# Altium PCB BB.PcbDoc (part 1 of 9) (continued)
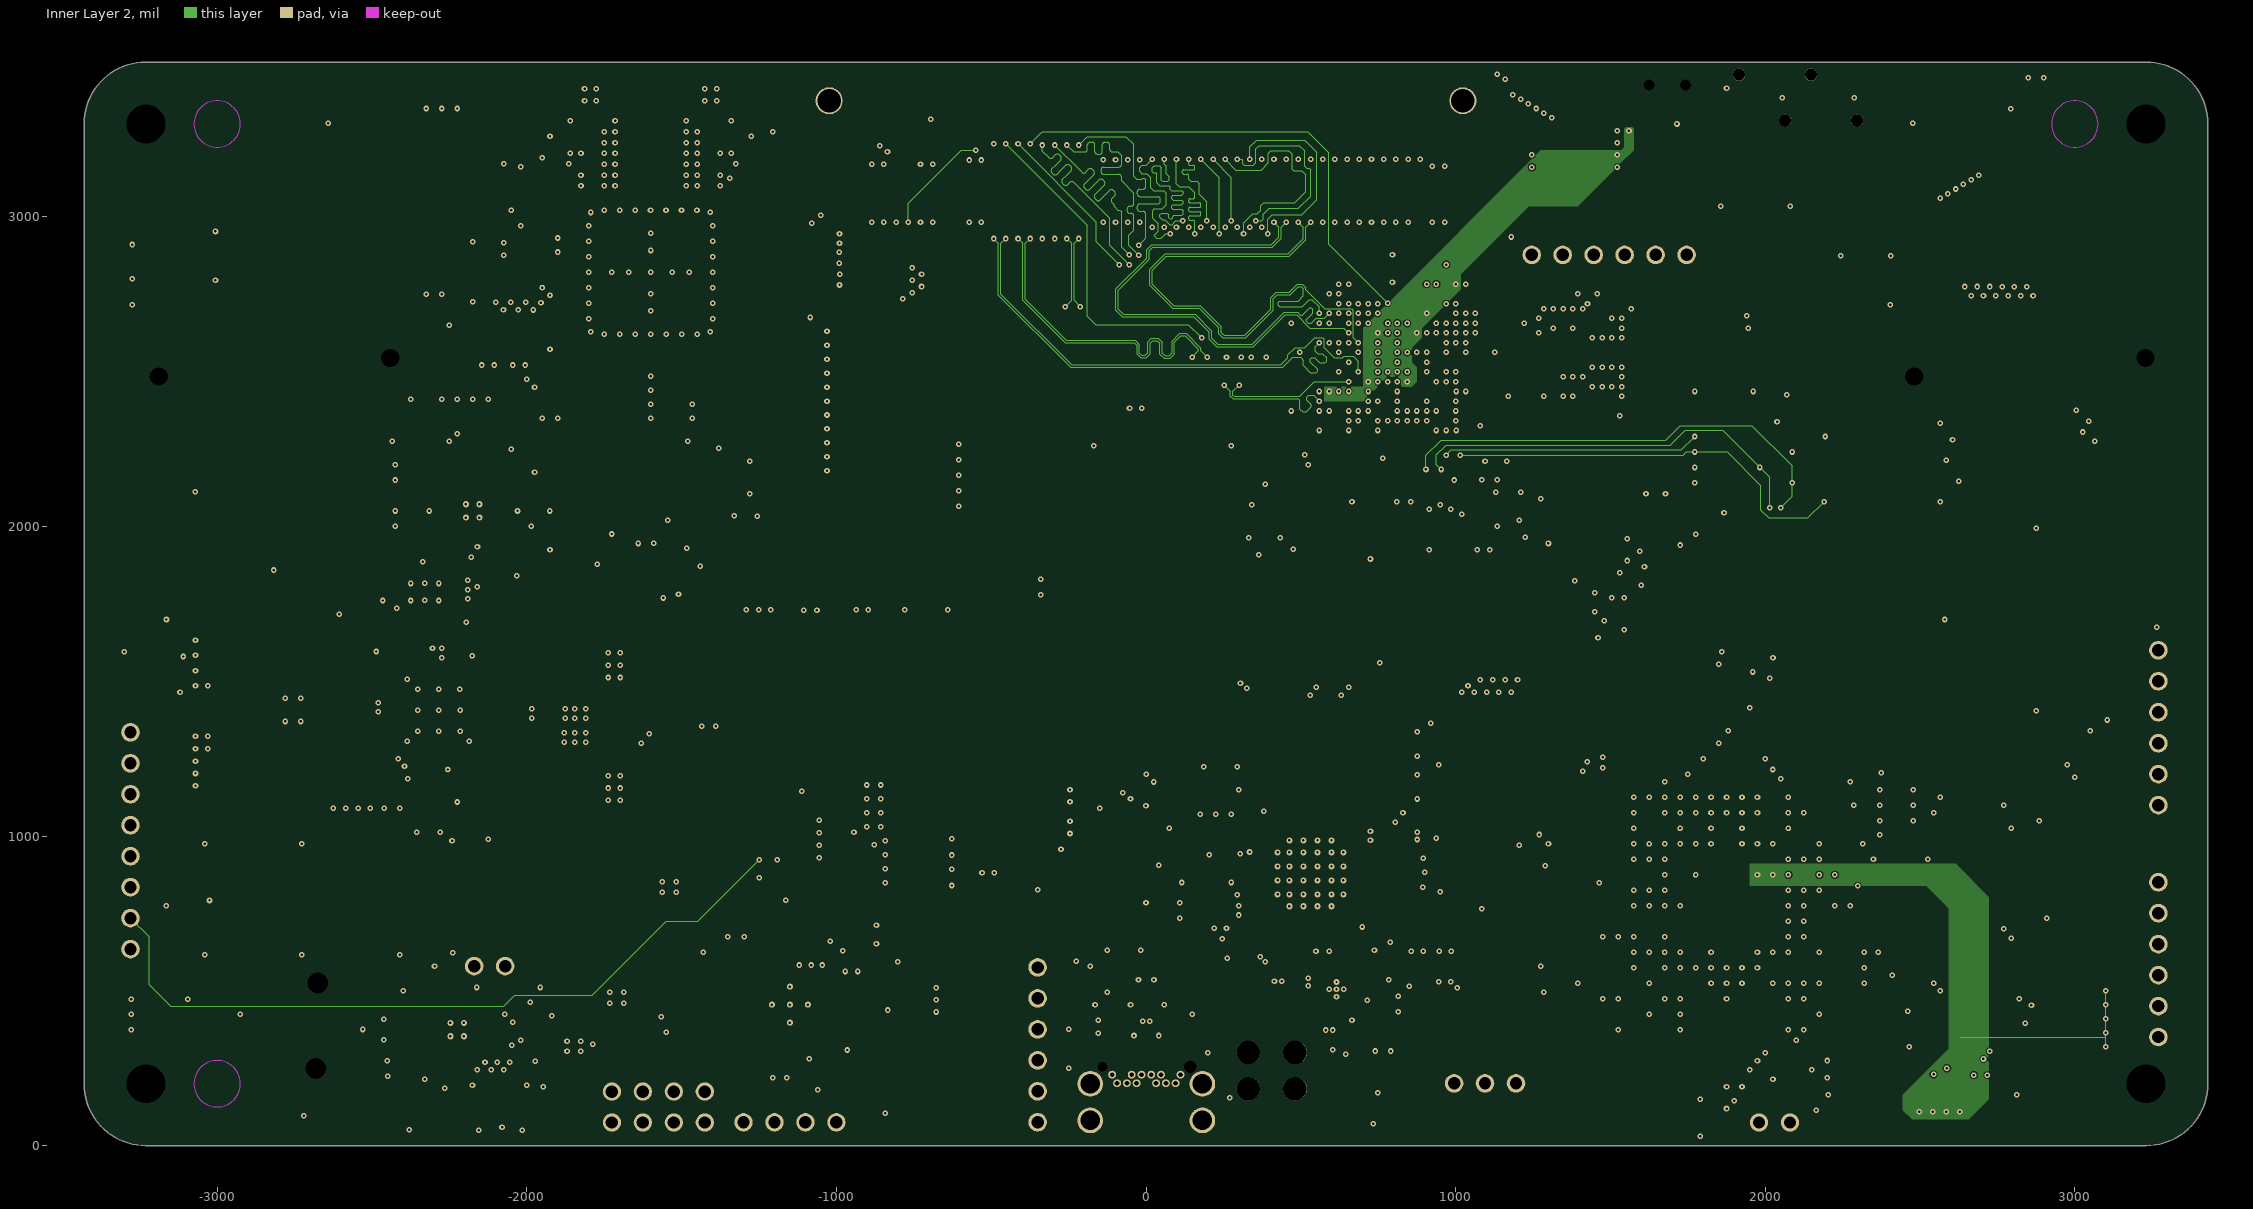
[diagram p4: Inner Layer 2]
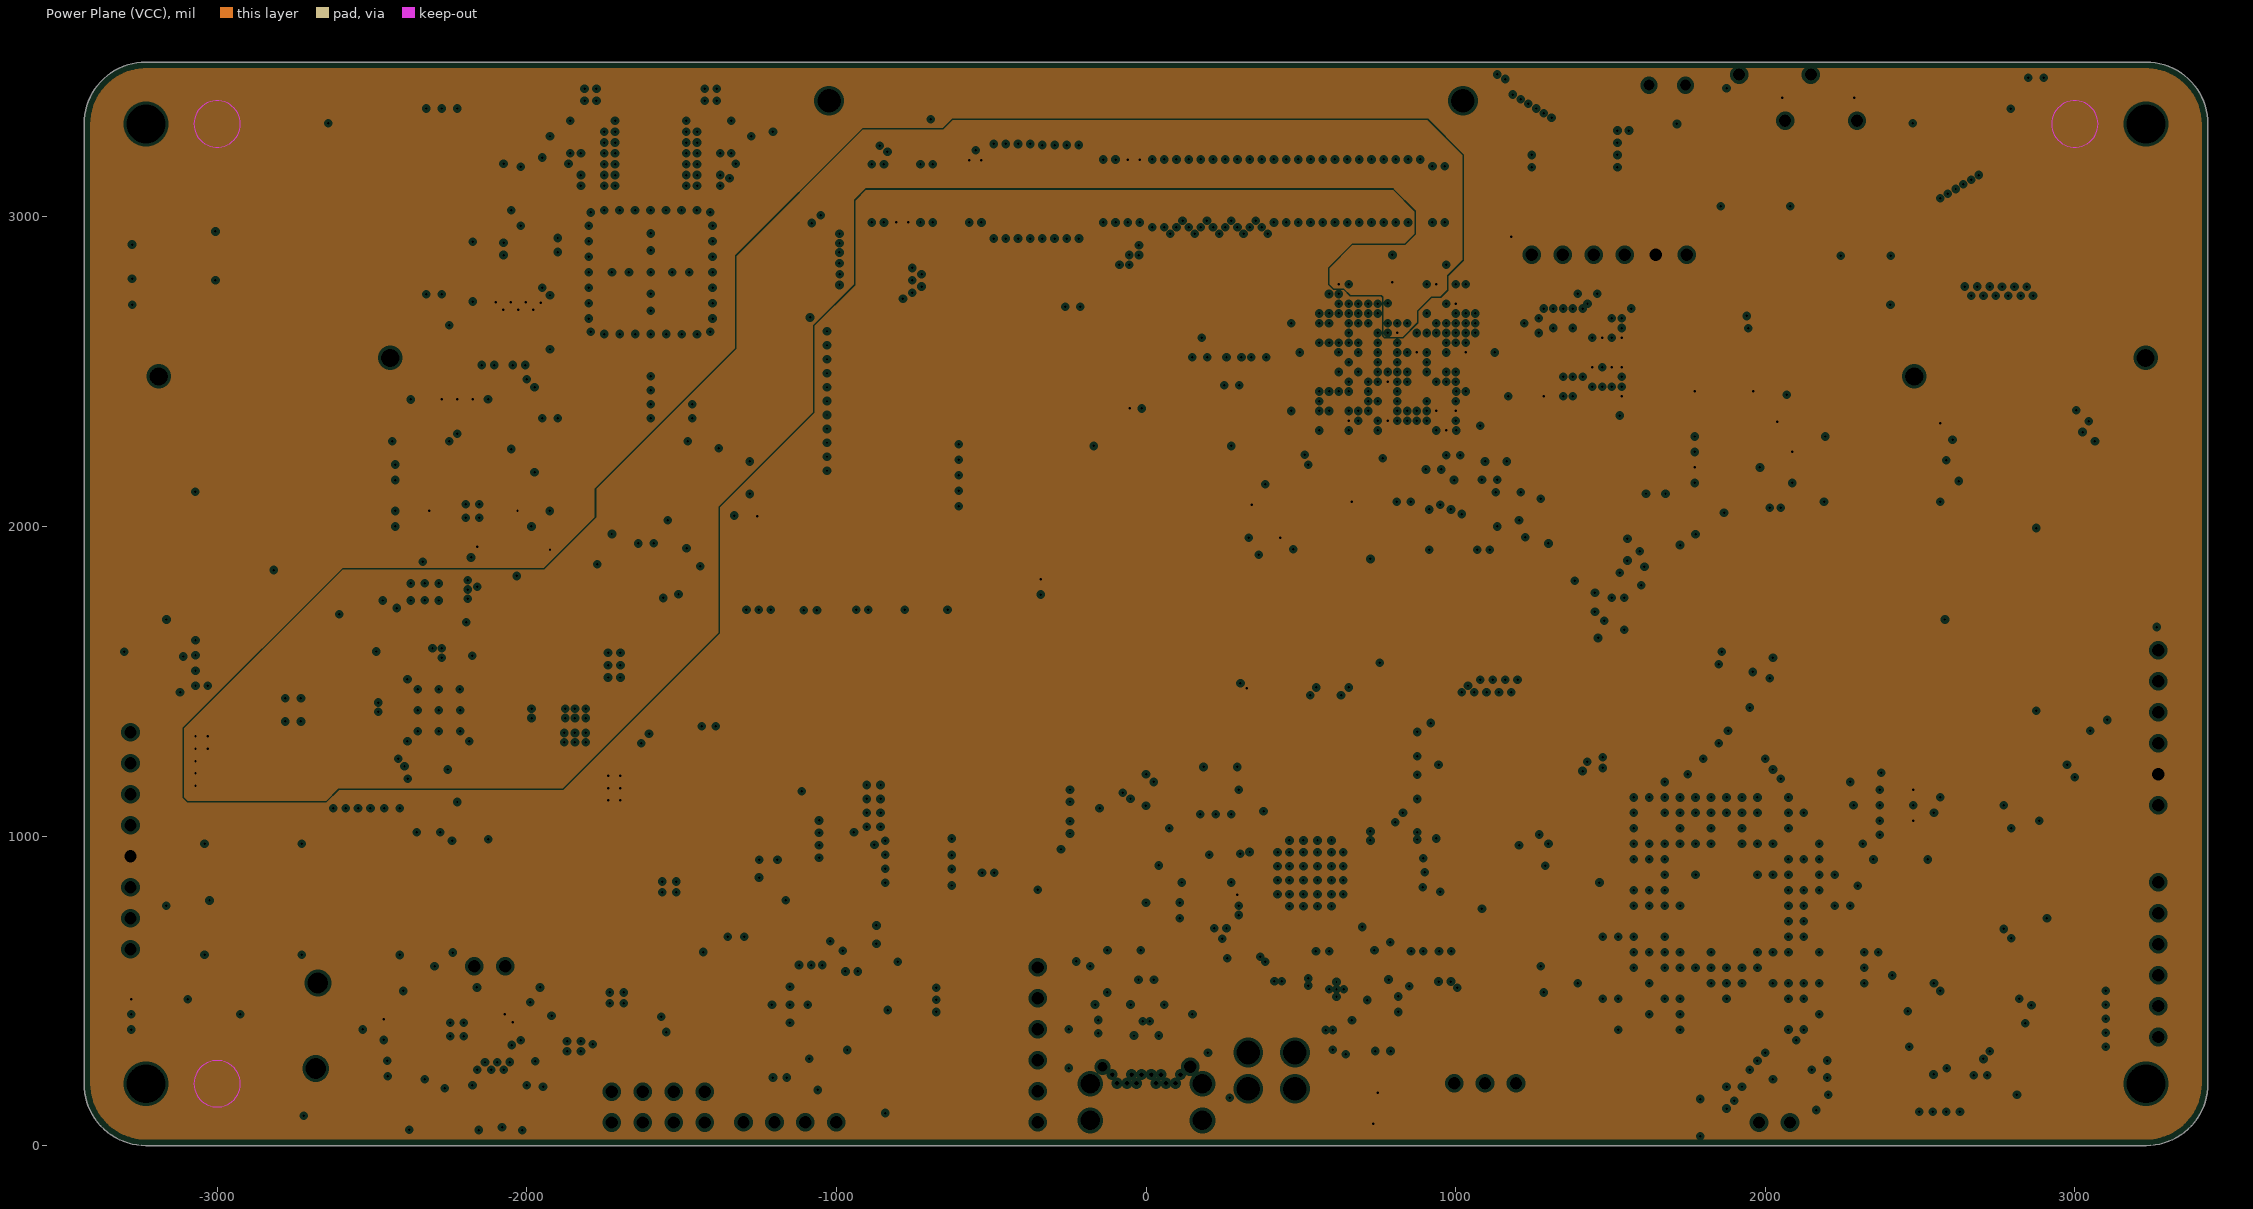
[diagram p5: Power Plane (VCC), clearances drawn from the general rule]
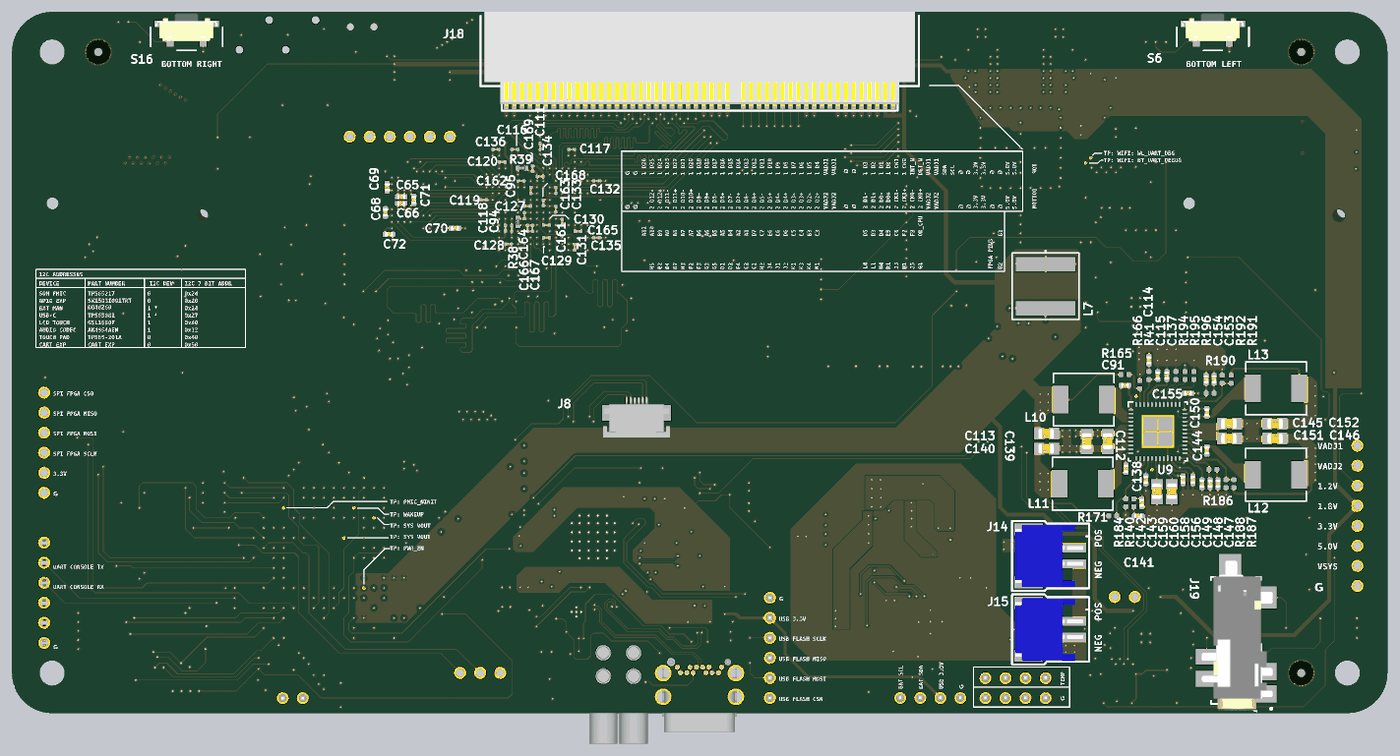
[diagram p14: 3D render of the assembled board from below, using the file's embedded part models]

## Layer stack, top to bottom
Top Solder: solder mask 0.4, Solder Resist, Dk 3.5
Component Side: signal copper 1.4
Dielectric 1: core 12.6, FR-4, Dk 4.8
Ground Plane (GND): plane copper 1.417, net GND
Dielectric 3: prepreg 5, Dk 4.2
Inner Layer 1: signal copper 1.417
Dielectric 6: core 10, Dk 4.2
Inner Layer 2: signal copper 1.417
Dielectric 5: prepreg 5, Dk 4.2
Power Plane (VCC): plane copper 1.417, net (Multiple Nets)
Dielectric 4: core 10, Dk 4.2
Solder Side: signal copper 1.4
Bottom Solder: solder mask 0.4, Solder Resist, Dk 3.5

## Board outline
-3430,200 -3430,3300 cw(c-3230,3300) -3230,3500 3230,3500 cw(c3230,3300) 3430,3300 3430,200 cw(c3230,200) 3230,0 -3230,0 cw(c-3230,200)

## Design rules (kind name [scope] priority, off if disabled: settings)
Clearance V5P0_L06_P073_CLEARANCE [InNamedPolygon('V5P0_L06_P073')] p1: gap=10 ignorepadtopadclearanceinfootprint=FALSE except(0: Arc-Hole Track-Hole SMDPad-Hole THPad-Hole Via-Hole Fill-Hole Poly-Hole Region-Hole Text-Hole)
Clearance [All] p2: gap=4 ignorepadtopadclearanceinfootprint=TRUE except(0: Arc-Hole Track-Hole SMDPad-Hole THPad-Hole Via-Hole Fill-Hole Poly-Hole Region-Hole Text-Hole)
DiffPairsRouting [All] p1: maxlimit=10 minlimit=4 mostfreqgap=4 toplayer_minwidth=4 toplayer_maxwidth=15 toplayer_prefwidth=4 midlayer1_minwidth=4 midlayer1_maxwidth=15 midlayer1_prefwidth=4 midlayer2_minwidth=4 midlayer2_maxwidth=15 midlayer2_prefwidth=4 bottomlayer_minwidth=4 bottomlayer_maxwidth=15 bottomlayer_prefwidth=4 maxuncoupledlength=500
HoleSize [All] p1: absolutevalues=TRUE maxlimit=125 minlimit=1 maxpercent=80.000 minpercent=20.000
MinimumSolderMaskSliver [All] p1: minsoldermaskwidth=3
NetAntennae [Footprint='S_GB_BTN'] p1: netantennaetolerance=0
PlaneClearance [All] p1: clearance=10
PlaneConnect USBC_CONN [(InComponent('J12') AND InNet('GND'))] p1: planeconnectstyle=Direct reliefexpansion=20 reliefentries=4 reliefconductorwidth=10 reliefairgap=10
PlaneConnect USBC_CONN_1 [InNet('GND')] p2: planeconnectstyle=Direct reliefexpansion=20 reliefentries=4 reliefconductorwidth=10 reliefairgap=10
PlaneConnect [All] p3: planeconnectstyle=Direct reliefexpansion=20 reliefentries=4 reliefconductorwidth=10 reliefairgap=10
PolygonConnect V5P0_L06_P073_REG [All vs IsNamedPolygon('V5P0_L06_P073')] p1: connectstyle=Relief reliefconductorwidth=10 reliefentries=4 polygonreliefangle="90 Angle" airgapwidth=7
PolygonConnect SYS_VDD_1P8V_L01_P061_SOM [All vs IsNamedPolygon('SYS_VDD_1P8V_L01_P061')] p2: connectstyle=Relief reliefconductorwidth=10 reliefentries=4 polygonreliefangle="90 Angle" airgapwidth=5
PolygonConnect PolygonConnect_1 [All vs IsNamedPolygon('SYS_VDD1_3P3V_L01_P063')] p3: connectstyle=Relief reliefconductorwidth=10 reliefentries=4 polygonreliefangle="90 Angle" airgapwidth=5
PolygonConnect SYS_VOUT_L01_P065_SOM [All vs IsNamedPolygon('SYS_VOUT_L01_P065')] p4: connectstyle=Relief reliefconductorwidth=10 reliefentries=4 polygonreliefangle="90 Angle" airgapwidth=5
PolygonConnect SYS_VDD3_3P3V_L01_P067_SOM [All vs IsNamedPolygon('SYS_VDD3_3P3V_L01_P067')] p5: connectstyle=Relief reliefconductorwidth=10 reliefentries=4 polygonreliefangle="90 Angle" airgapwidth=5
PolygonConnect VBUS_POLYGON [All vs IsNamedPolygon('VBUS_L04_P029')] p6: connectstyle=Direct reliefconductorwidth=10 reliefentries=4 polygonreliefangle="90 Angle" airgapwidth=10
PolygonConnect VBUS1_POLYGON [All vs IsNamedPolygon('VBUS_L01_P049')] p7: connectstyle=Direct reliefconductorwidth=10 reliefentries=4 polygonreliefangle="90 Angle" airgapwidth=10
PolygonConnect V_USB_POLYGON [All vs IsNamedPolygon('V_USB_HV_L01_P048')] p8: connectstyle=Direct reliefconductorwidth=10 reliefentries=4 polygonreliefangle="90 Angle" airgapwidth=10
PolygonConnect WIFI_GND_CON_STYLE_1 [All vs IsNamedPolygon('GND_L01_P045')] p9: thpad.connectstyle=Relief thpad.reliefconductorwidth=10 thpad.reliefentries=4 thpad.polygonreliefangle="90 Angle" thpad.airgapwidth=10 smdpad.connectstyle=Relief smdpad.reliefconductorwidth=10 smdpad.reliefentries=4 smdpad.polygonreliefangle="90 Angle" smdpad.airgapwidth=10 via.connectstyle=Direct via.reliefconductorwidth=10 via.reliefentries=4 via.polygonreliefangle="90 Angle" via.airgapwidth=10
PolygonConnect MAIN_GND [All] p10: connectstyle=Direct reliefconductorwidth=10 reliefentries=4 polygonreliefangle="90 Angle" airgapwidth=10
PolygonConnect [All] p11: connectstyle=Relief reliefconductorwidth=10 reliefentries=4 polygonreliefangle="90 Angle" airgapwidth=10
RoutingLayers [All] p1: top layer_v5=FALSE mid layer 1_v5=TRUE mid layer 2_v5=TRUE bottom layer_v5=TRUE
RoutingVias [All] p1: holewidth=8 width=18 viastyle="Through Hole" minholewidth=8 minwidth=18 maxholewidth=28 maxwidth=50
SilkToSilkClearance [All] p1: silktosilkclearance=1
SilkToSolderMaskClearance [IsPad] p1: minsilkscreentomaskgap=1 clearancetoexposedcopper=TRUE
SolderMaskExpansion [All] p1: expansion=4
Width [All] p1: maxlimit=50 minlimit=4 preferedwidth=4 minimp=50.000000 maximp=50.000000 favimp=50.000000
21 further rules are at their usual default settings.

## Classes and differential pairs
net class GPMC_CSN[2..0]: GPMC_CSN0 GPMC_CSN1 GPMC_CSN2
net class B1_DAT[26..0]: B1_DAT0 B1_DAT1 B1_DAT2 B1_DAT3 B1_DAT4 B1_DAT5 B1_DAT6 B1_DAT7 B1_DAT8 B1_DAT9 B1_DAT10 B1_DAT11 B1_DAT12 B1_DAT13 B1_DAT14 B1_DAT15 B1_DAT16 B1_DAT17 B1_DAT18 B1_DAT19 B1_DAT20 B1_DAT21 B1_DAT22 B1_DAT23 B1_DAT24 B1_DAT25 B1_DAT26
net class B1_CLK[1..0]: B1_CLK0 B1_CLK1
net class GPMC_AD[15..0]: GPMC_AD0 GPMC_AD1 GPMC_AD2 GPMC_AD3 GPMC_AD4 GPMC_AD5 GPMC_AD6 GPMC_AD7 GPMC_AD8 GPMC_AD9 GPMC_AD10 GPMC_AD11 GPMC_AD12 GPMC_AD13 GPMC_AD14 GPMC_AD15
net class SDRAM_D[15..0]: SDRAM_D0 SDRAM_D1 SDRAM_D2 SDRAM_D3 SDRAM_D4 SDRAM_D5 SDRAM_D6 SDRAM_D7 SDRAM_D8 SDRAM_D9 SDRAM_D10 SDRAM_D11 SDRAM_D12 SDRAM_D13 SDRAM_D14 SDRAM_D15
net class SDRAM_BANK[1..0]: SDRAM_BANK0 SDRAM_BANK1
net class SDRAM_ADDR[12..0]: SDRAM_ADDR0 SDRAM_ADDR1 SDRAM_ADDR2 SDRAM_ADDR3 SDRAM_ADDR4 SDRAM_ADDR5 SDRAM_ADDR6 SDRAM_ADDR7 SDRAM_ADDR8 SDRAM_ADDR9 SDRAM_ADDR10 SDRAM_ADDR11 SDRAM_ADDR12
differential pair B2_DAT12: +B2_DAT12_P -B2_DAT12_N
differential pair B2_DAT11: +B2_DAT11_P -B2_DAT11_N
differential pair B2_DAT10: +B2_DAT10_P -B2_DAT10_N
differential pair B2_DAT9: +B2_DAT9_P -B2_DAT9_N
differential pair B2_DAT8: +B2_DAT8_P -B2_DAT8_N
differential pair B2_DAT7: +B2_DAT7_P -B2_DAT7_N
differential pair B2_DAT6: +B2_DAT6_P -B2_DAT6_N
differential pair B2_DAT5: +B2_DAT5_P -B2_DAT5_N
differential pair B2_DAT4: +B2_DAT4_P -B2_DAT4_N
differential pair B2_DAT3: +B2_DAT3_P -B2_DAT3_N
differential pair B2_DAT2: +B2_DAT2_P -B2_DAT2_N
differential pair B2_DAT1: +B2_DAT1_P -B2_DAT1_N
differential pair B2_DAT0: +B2_DAT0_P -B2_DAT0_N
differential pair B2_CLK1: +B2_CLK1_P -B2_CLK1_N
differential pair B2_CLK0: +B2_CLK0_P -B2_CLK0_N
differential pair SBU: +SBU_P -SBU_N
differential pair USB_2P0: +USB_2P0_P -USB_2P0_N
differential pair C_USB_T: +C_USB_T_P -C_USB_T_N
differential pair C_USB_B: +C_USB_B_P -C_USB_B_N
differential pair AUX: +AUX_P -AUX_N
differential pair AUX_C: +AUX_C_P -AUX_C_N

## Components (designator, comment, footprint, x,y, rotation, side; value= is the part's Value field where it differs from the comment)
C1 "C_0402_18PF_50V" C_0402 1552,221.51 r270 top
C2 "C_0402_18PF_50V" C_0402 1698,221.51 r270 top
C3 "C_0402_0.1UF_25V" C_0402 2475,769.39 r90 top
C4 "C_0402_0.1UF_25V" C_0402 2425.01,769.39 r90 top
C5 "C_0402_0.1UF_25V" C_0402 2525,769.39 r90 top
C6 "C_0402_18PF_50V" C_0402 2575,879.51 r270 top
C7 "C_0402_18PF_50V" C_0402 2575,965.14 r90 top
C8 "C_0402_0.1UF_25V" C_0402 -2369.69,2050 r0 top
C9 "C_0402_0.1UF_25V" C_0402 -2160,1855.32 r90 top
C10 "C_0402_0.1UF_25V" C_0402 -1981.06,2050 r180 top
C11 "10µF" C_ERA-0805 -2025,2609.04 r90 top
C12 "10µF" C_ERA-0805 -2125,2609.04 r90 top
C13 "C_0402_0.1UF_25V" C_0402 -1925,2626.75 r90 top
C14 "10µF" C_ERA-0805 -1987.4,2896.44 r0 top
C15 "C_0402_0.1UF_25V" C_0402 -1341.02,1144.46 r180 top
C16 "C_0402_0.1UF_25V" C_0402 -1205.2,1144.46 r180 top
C17 "C_0402_0.1UF_25V" C_0402 -1526.7,672.02 r90 top
C18 "C_0402_2.2uF_35V" C_0402 -1429.76,570.21 r270 top
C19 "1.0uF" C_ERA-0805 -1324.04,586.79 r270 top
C20 "C_0402_0.1UF_25V" C_0402 -1526.7,593.28 r90 top
C21 "C_0402_0.1UF_25V" C_0402 -1526.7,514.54 r90 top
C22 "1.0uF" C_ERA-0805 -949,482.4 r270 top
C23 "C_0402_2.2uF_35V" C_0402 -927.4,971.55 r180 top
C24 "C_0402_0.1UF_25V" C_0402 -1526.7,435.8 r90 top
C25 "C_0402_0.1UF_25V" C_0402 -1095,630 r180 top
C26 "10µF" CAP-1206 -733.74,868.16 r180 top
C27 "10µF" CAP-1206 -735.71,965.33 r180 top
C28 "220pF" C_0402 789.13,712.28 r90 top
C29 "1.0uF" C_0402 -1969.68,2971.44 r0 top
C30 "C_0402_0.22UF_50V" C_0402 321.32,605 r0 top
C31 "1.0uF" C_0402 1286.36,3179.98 r90 top
C32 "1.0uF" C_ERA-0805 966.3,701.36 r90 top
C33 "C_0402_0.1UF_25V" C_0402 -1432.58,355.37 r90 top
C34 "100pF" C_0402 -1375.26,355.49 r270 top
C35 "C_0805_1.5uF_25V" C_ERA-0805 -509.46,793.8 r270 top
C36 "10µF" CAP-1206 -337.9,1130 r0 top
C37 "10µF" CAP-1206 -337.91,1027.95 r0 top
C38 "22pF" C_0402 -1060,239.68 r270 top
C39 "C_0402_0.1UF_25V" C_0402 -852.4,194.96 r90 top
C40 "C_0402_0.1UF_25V" C_0402 -915,240.32 r270 top
C41 "C_0402_0.1UF_25V" C_0402 -915,144.65 r90 top
C42 "C_0402_0.1UF_25V" C_0402 -1969.69,3161.44 r0 top
C43 "10pF" C_0402 -1792.91,3241.12 r270 top
C44 "10pF" C_0402 -1407.09,3241.12 r270 top
C45 "C_0603_10µF" C_ERA-0603 2244.41,115 r0 top
C46 "C_0402_0.1UF_25V" C_0402 2258.19,165 r0 top
C47 "C_0603_10µF" C_ERA-0603 -1523.42,1870 r180 top
C48 "C_0402_0.1UF_25V" C_0402 -1537.2,1930 r180 top
C49 "C_0402_2.2uF_35V" C_0402 -1380,2197.69 r270 top
C50 "C_0402_0.1UF_25V" C_0402 -2325,3280.31 r270 top
C51 "C_0402_0.1UF_25V" C_0402 2793.11,3280.31 r270 top
C52 "C_0402_0.1UF_25V" C_0402 -2369.68,2150 r0 top
C53 "C_0402_0.1UF_25V" C_0402 -2300.32,1905.31 r90 top
C54 "C_0402_0.1UF_25V" C_0402 -2369.68,2200 r0 top
C55 "C_0402_0.1UF_25V" C_0402 -2370,2000 r0 top
C56 "C_0402_0.1UF_25V" C_0402 -3090.14,792 r180 top
C57 "1.0uF" C_0402 1482.64,3259.06 r270 top
C58 "C_0402_0.1UF_25V" C_0402 -2375,2355 r270 top
C59 "C_0402_0.1UF_25V" C_0402 -2049.86,2194.69 r270 top
C60 "C_0402_0.1UF_25V" C_0402 -2125.06,2355.31 r270 top
C61 "C_0402_0.1UF_25V" C_0402 -1975,2119.36 r270 top
C62 "C_0603_10µF" C_ERA-0603 -1330.33,1956.46 r270 top
C63 "C_0402_0.22UF_50V" C_0402 -3054.68,374.78 r0 top
C64 "C_0402_0.22UF_50V" C_0402 -3054.69,424.82 r0 top
C65 "1.0uF" C_0402 1488.98,2577.76 r180 bottom
C66 "1.0uF" C_0402 1488.98,2544.29 r0 bottom
C67 "C_0402_0.1UF_25V" C_0402 -2775,484.69 r270 top
C68 "C_0402_0.1UF_25V" C_0402 1567.72,2499.02 r90 bottom
C69 "C_0402_0.1UF_25V" C_0402 1559.72,2625 r270 bottom
C70 "1.0uF" C_0402 1221.26,2420.28 r0 bottom
C71 "C_0402_0.1UF_25V" C_0402 1425.98,2562.01 r270 bottom
C72 "C_0402_0.1UF_25V" C_0402 1550,2390 r0 bottom
C73 "C_0603_10µF" C_ERA-0603 -1972.88,341.28 r90 top
C74 "C_0402_2.2uF_35V" C_0402 355.31,1150 r0 top
C75 "C_0402_2.2uF_35V" C_0402 305.32,668 r0 top
C76 "C_0402_0.1UF_25V" C_0402 -1980.31,425 r180 top
C77 "C_0603_10µF" C_ERA-0603 -2420.16,374.93 r90 top
C78 "C_0402_0.1UF_25V" C_0402 -2374.39,374.93 r90 top
C79 "C_0603_10µF" C_ERA-0603 -2030.63,511 r180 top
C80 "C_0402_0.1UF_25V" C_0402 -2044.41,463 r180 top
C81 "C_0402_2.2uF_35V" C_0402 -2365,455 r0 top
C82 "C_0402_2.2uF_35V" C_0402 -2396.54,274.75 r0 top
C83 "C_0402_2.2uF_35V" C_0402 -2344.68,499.75 r0 top
C84 "C_0402_2.2uF_35V" C_0402 -2394.85,224.75 r0 top
C85 "C_0402_0.1UF_25V" C_0402 -3275,2855.31 r90 top
C86 "C_0402_0.1UF_25V" C_0402 1790.18,205.14 r90 top
C87 "C_0402_0.1UF_25V" C_0402 2305,2874.02 r0 top
C88 "22µF" C_14-1210 770,1296.93 r180 top
C89 "22µF" C_14-1210 770,1159.13 r180 top
C90 "4.7µF" C_0603 800,1000 r180 top
C91 "0.1uF" C_0402 -2120.53,1636.14 r180 bottom
C92 "C_0402_0.1UF_25V" C_0402 -2225,3280.31 r270 top
C93 "C_0402_0.1UF_25V" C_0402 2900,3380.31 r270 top
C94 "0.1UF" CAPC0201 937.8,2420.28 r270 bottom
C95 "1.0UF" CAPC0201 843.31,2609.25 r90 bottom
C96 "C_0402_0.1UF_25V" C_0402 -70.55,631 r180 top
C97 "220pF" C_0402 718.27,667.01 r180 top
C98 "C_0402_0.1UF_25V" C_0402 55.32,835 r180 top
C99 "C_0402_0.1UF_25V" C_0402 55.32,735 r180 top
C100 "1.0uF" C_0402 255.31,940 r0 top
C101 "C_0603_10µF" C_ERA-0603 186.54,850.08 r0 top
C102 "1.0uF" C_0402 260,750.31 r90 top
C103 "1.0uF" C_0402 1482.64,3180.31 r90 top
C104 "1000pF" C_0402 -2305,110 r270 top
C105 "1000pF" C_0402 -2224.59,140.43 r270 top
C106 "C_0402_0.1UF_25V" C_0402 -2055.18,195 r180 top
C107 "1000pF" C_0402 -2264.74,140.43 r90 top
C108 "1000pF" C_0402 -2324.68,51 r180 top
C109 "C_0603_10µF" C_ERA-0603 -2331.46,616 r0 top
C110 "C_0402_0.1UF_25V" C_0402 -2239.42,569.11 r270 top
C111 "0.1UF" CAPC0201 796.06,2827.76 r270 bottom
C112 "C_0805_22µF_35V" C_ERA-0805 -2035,1355 r90 bottom
C113 "10µF" C_ERA-0805 -1730,1395 r0 bottom
C114 "C_0402_3.3nF_50V" C_0402 -2240.53,1761.14 r270 bottom
C115 "C_0402_36pF" C_0402 -2284.53,1685 r270 bottom
C116 "0.1UF" CAPC0201 922.05,2813.98 r0 bottom
C117 "0.1UF" CAPC0201 638.58,2813.98 r180 bottom
C118 "1.0UF" CAPC0201 969.29,2420.28 r270 bottom
C119 "0.1UF" CAPC0201 1077.56,2562.01 r180 bottom
C120 "0.1UF" CAPC0201 985.04,2750.98 r0 bottom
C121 "10000pF" C_0402 -24.21,490.98 r270 top
C122 "10000pF" C_0402 -108.43,405.79 r0 top
C123 "10000pF" C_0402 25.79,490.98 r270 top
C124 "10000pF" C_0402 -109.13,362.64 r0 top
C125 "1.0uF" C_0402 735,536.5 r180 top
C126 "C_0402_0.1UF_25V" C_0402 645,350.31 r90 top
C127 "0.1UF" CAPC0201 859.06,2530.51 r0 bottom
C128 "1.0UF" CAPC0201 953.54,2341.53 r0 bottom
C129 "0.1UF" CAPC0201 764.57,2373.03 r0 bottom
C130 "0.1UF" CAPC0201 764.57,2436.02 r0 bottom
C131 "0.1UF" CAPC0201 622.83,2325.79 r90 bottom
C132 "1.0UF" CAPC0201 514.57,2656.5 r0 bottom
C133 "0.1UF" CAPC0201 717.32,2514.76 r270 bottom
C134 "0.1UF" CAPC0201 780.31,2546.26 r90 bottom
C135 "0.1UF" CAPC0201 514.57,2373.03 r0 bottom
C136 "1.0UF" CAPC0201 1016.54,2813.98 r180 bottom
C137 "C_0402_68nF" C_0402 -2330,1685 r270 bottom
C138 "0.1uF" C_0402 -2125.53,1220 r90 bottom
C139 "C_0805_22µF_35V" C_ERA-0805 -1930,1355 r90 bottom
C140 "10µF" C_ERA-0805 -1730,1320 r0 bottom
C141 "C_0402_3.3nF_50V" C_0402 -2186.51,984.83 r0 bottom
C142 "C_0402_36pF" C_0402 -2205,1050 r90 bottom
C143 "C_0402_68nF" C_0402 -2225,1165 r90 bottom
C144 "0.1uF" C_0402 -2529.53,1311.14 r270 bottom
C145 "C_0805_22µF_35V" C_ERA-0805 -2641.93,1445.14 r0 bottom
C146 "10µF" C_ERA-0805 -2867.53,1370.14 r180 bottom
C147 "C_0402_3.3nF_50V" C_0402 -2585,1145 r90 bottom
C148 "12pF" C_0402 -2545,1145 r90 bottom
C149 "C_0402_68nF" C_0402 -2505,1145 r90 bottom
C150 "0.1uF" C_0402 -2529.53,1501.14 r90 bottom
C151 "C_0805_22µF_35V" C_ERA-0805 -2641.93,1370.14 r0 bottom
C152 "10µF" C_ERA-0805 -2867.53,1445.14 r180 bottom
C153 "C_0402_3.3nF_50V" C_0402 -2565.53,1666.14 r270 bottom
C154 "47pF" C_0402 -2525.53,1666.14 r270 bottom
C155 "C_0402_68nF" C_0402 -2435.53,1596.14 r0 bottom
C156 "1.0uF" C_0402 -2460,1165 r90 bottom
C158 "4.7uF" C_0402 -2410.5,1165 r90 bottom
C159 "4.7µF" C_ERA-0805 -2280,1105 r90 bottom
C160 "4.7µF" C_ERA-0805 -2355,1105 r90 bottom
C161 "0.1UF" CAPC0201 685.83,2451 r90 bottom
C162 "0.1UF" CAPC0201 890.55,2656.5 r180 bottom
C163 "0.1UF" CAPC0201 718,2609.25 r90 bottom
C164 "0.1UF" CAPC0201 874.8,2483.27 r270 bottom
C165 "0.01UF" CAPC0201 607.09,2404.53 r180 bottom
C166 "1.0UF" CAPC0201 859.06,2420.28 r90 bottom
C167 "0.1UF" CAPC0201 835,2420 r90 bottom
C168 "1.0UF" CAPC0201 796,2679 r0 bottom
C169 "0.1UF" CAPC0201 834,2717.78 r270 bottom
C170 "C_0402_0.1UF_25V" C_0402 385.54,2089.57 r270 top
C171 "C_0402_0.1UF_25V" C_0402 2138.58,2290.55 r180 top
CR1 "Y_7A-24.000MAAJ-T" CRYSTAL_TXC_7A 1625,99.82 r180 top value=Value
D1 "BAT54" SOT23 -1432.4,746.94 r270 top
D2 "BAT54" SOT23 -621.42,763.46 r180 top
D3 "D_TLVH431AIDBZR" SOT23 1208.78,631.2 r0 top value=Value
D4 "B1100-13-F" DIOM5226X23L -1480,2099.26 r270 top
D5 "BAT54" SOT23 1079.53,2976.38 r270 top
D7 "D_SCHOTT_30V_2A_XDFN" DSN2_0603 -113.94,455.79 r180 top
F1 "Fudicial" "FIDUCIAL ROUND" 3000,3300 r0 top locked
F2 "Fudicial" "FIDUCIAL ROUND" -3000,3300 r0 top locked
F3 "Fudicial" "FIDUCIAL ROUND" -3000,200 r0 top locked
J1 "J_HDR1X2_JUMPER" HDR_1X2 1980,74.83 r0 top
J2 "U.FL-R-SMT-1(10)" U.FL-R-SMT-1 -1792.91,3381.48 r0 top
J3 "U.FL-R-SMT-1(10)" U.FL-R-SMT-1 -1407.09,3381.48 r0 top